# KiCad board panel.kicad_pcb (continued)
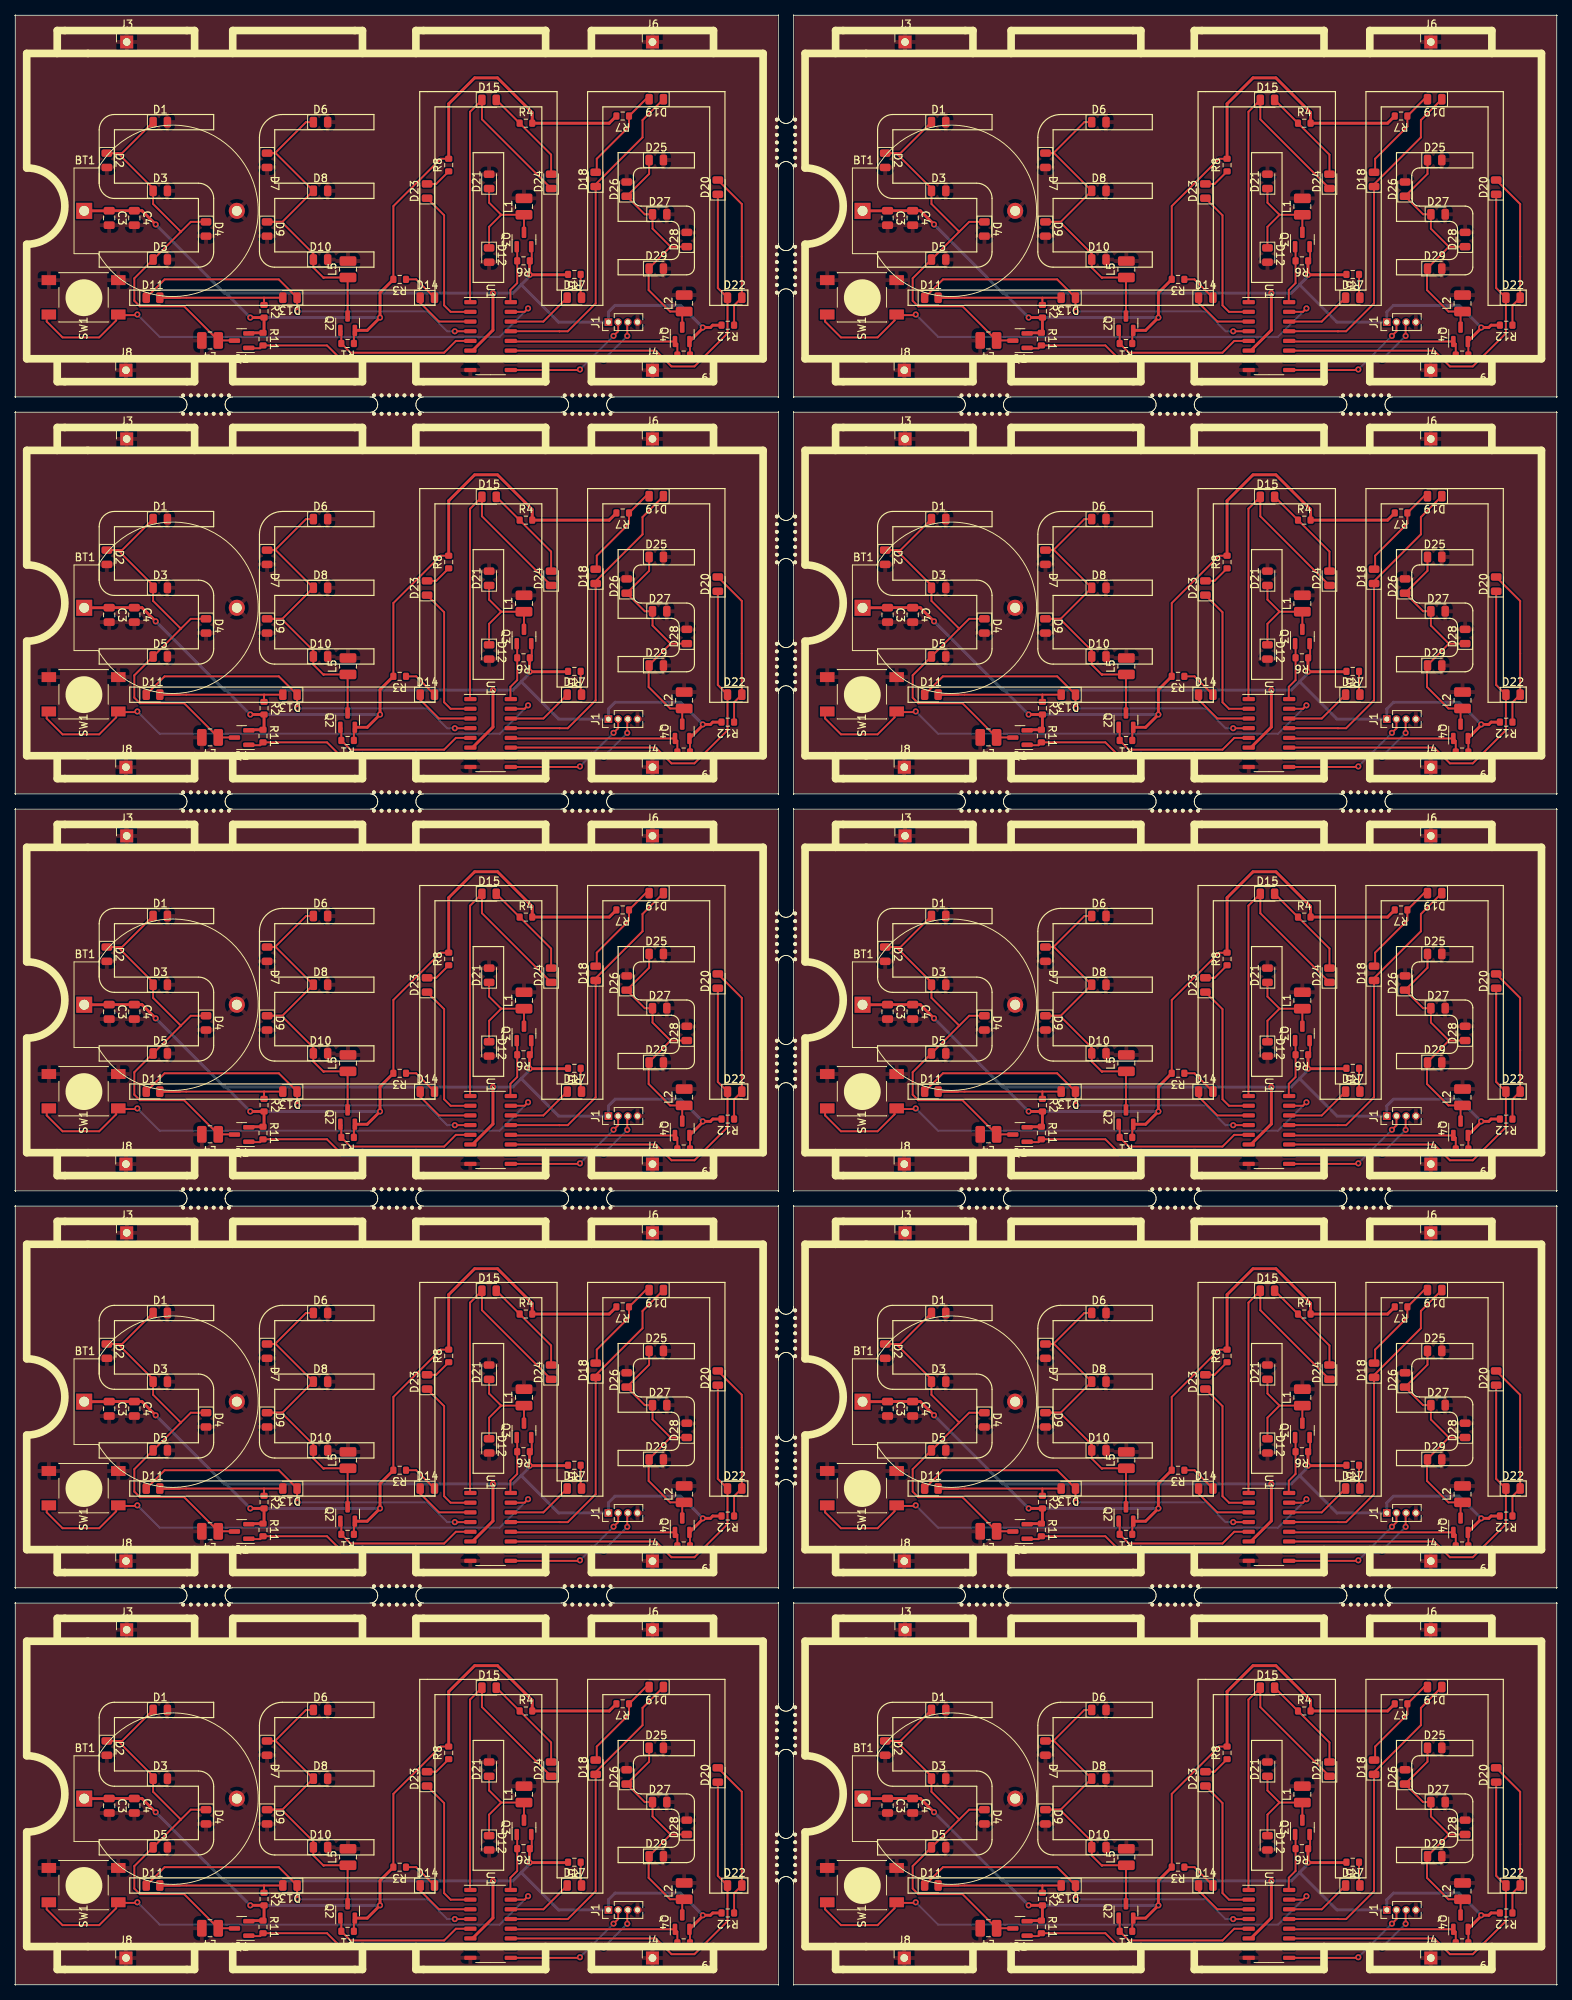
[diagram p0: board, top side]
## Placement (name value [footprint] x y rotation side) (continued)
J6#10  Conn_01x01_Male  [PinHeader_1x01_P2.54mm_Vertical]  185.5 46.5 0 top
J8  Conn_01x01_Male  [PinHeader_1x01_P2.54mm_Vertical]  14.5 211.5 0 top
J8#2  Conn_01x01_Male  [PinHeader_1x01_P2.54mm_Vertical]  116.5 211.5 0 top
J8#3  Conn_01x01_Male  [PinHeader_1x01_P2.54mm_Vertical]  14.5 159.5 0 top
J8#4  Conn_01x01_Male  [PinHeader_1x01_P2.54mm_Vertical]  116.5 159.5 0 top
J8#5  Conn_01x01_Male  [PinHeader_1x01_P2.54mm_Vertical]  14.5 107.5 0 top
J8#6  Conn_01x01_Male  [PinHeader_1x01_P2.54mm_Vertical]  116.5 107.5 0 top
J8#7  Conn_01x01_Male  [PinHeader_1x01_P2.54mm_Vertical]  14.5 55.5 0 top
J8#8  Conn_01x01_Male  [PinHeader_1x01_P2.54mm_Vertical]  116.5 55.5 0 top
J8#9  Conn_01x01_Male  [PinHeader_1x01_P2.54mm_Vertical]  14.5 3.5 0 top
J8#10  Conn_01x01_Male  [PinHeader_1x01_P2.54mm_Vertical]  116.5 3.5 0 top
KiKit_MB_1_1  -  [NPTH]  99.8 244.33 0 top
KiKit_MB_1_2  -  [NPTH]  99.8 243.33 0 top
KiKit_MB_1_3  -  [NPTH]  99.8 242.33 0 top
KiKit_MB_1_4  -  [NPTH]  99.8 241.33 0 top
KiKit_MB_1_5  -  [NPTH]  99.8 240.33 0 top
KiKit_MB_1_6  -  [NPTH]  99.8 239.33 0 top
KiKit_MB_1_7  -  [NPTH]  99.8 238.33 0 top
KiKit_MB_2_1  -  [NPTH]  99.8 227.67 0 top
KiKit_MB_2_2  -  [NPTH]  99.8 226.67 0 top
KiKit_MB_2_3  -  [NPTH]  99.8 225.67 0 top
KiKit_MB_2_4  -  [NPTH]  99.8 224.67 0 top
KiKit_MB_2_5  -  [NPTH]  99.8 223.67 0 top
KiKit_MB_2_6  -  [NPTH]  99.8 222.67 0 top
KiKit_MB_2_7  -  [NPTH]  99.8 221.67 0 top
KiKit_MB_3_1  -  [NPTH]  28 208.2 0 top
KiKit_MB_3_2  -  [NPTH]  27 208.2 0 top
KiKit_MB_3_3  -  [NPTH]  26 208.2 0 top
KiKit_MB_3_4  -  [NPTH]  25 208.2 0 top
KiKit_MB_3_5  -  [NPTH]  24 208.2 0 top
KiKit_MB_3_6  -  [NPTH]  23 208.2 0 top
KiKit_MB_3_7  -  [NPTH]  22 208.2 0 top
KiKit_MB_4_1  -  [NPTH]  53 208.2 0 top
KiKit_MB_4_2  -  [NPTH]  52 208.2 0 top
KiKit_MB_4_3  -  [NPTH]  51 208.2 0 top
KiKit_MB_4_4  -  [NPTH]  50 208.2 0 top
KiKit_MB_4_5  -  [NPTH]  49 208.2 0 top
KiKit_MB_4_6  -  [NPTH]  48 208.2 0 top
KiKit_MB_4_7  -  [NPTH]  47 208.2 0 top
KiKit_MB_5_1  -  [NPTH]  78 208.2 0 top
KiKit_MB_5_2  -  [NPTH]  77 208.2 0 top
KiKit_MB_5_3  -  [NPTH]  76 208.2 0 top
KiKit_MB_5_4  -  [NPTH]  75 208.2 0 top
KiKit_MB_5_5  -  [NPTH]  74 208.2 0 top
KiKit_MB_5_6  -  [NPTH]  73 208.2 0 top
KiKit_MB_5_7  -  [NPTH]  72 208.2 0 top
KiKit_MB_6_1  -  [NPTH]  102.2 238.33 0 top
KiKit_MB_6_2  -  [NPTH]  102.2 239.33 0 top
KiKit_MB_6_3  -  [NPTH]  102.2 240.33 0 top
KiKit_MB_6_4  -  [NPTH]  102.2 241.33 0 top
KiKit_MB_6_5  -  [NPTH]  102.2 242.33 0 top
KiKit_MB_6_6  -  [NPTH]  102.2 243.33 0 top
KiKit_MB_6_7  -  [NPTH]  102.2 244.33 0 top
KiKit_MB_7_1  -  [NPTH]  102.2 221.67 0 top
KiKit_MB_7_2  -  [NPTH]  102.2 222.67 0 top
KiKit_MB_7_3  -  [NPTH]  102.2 223.67 0 top
KiKit_MB_7_4  -  [NPTH]  102.2 224.67 0 top
KiKit_MB_7_5  -  [NPTH]  102.2 225.67 0 top
KiKit_MB_7_6  -  [NPTH]  102.2 226.67 0 top
KiKit_MB_7_7  -  [NPTH]  102.2 227.67 0 top
KiKit_MB_8_1  -  [NPTH]  130 208.2 0 top
KiKit_MB_8_2  -  [NPTH]  129 208.2 0 top
KiKit_MB_8_3  -  [NPTH]  128 208.2 0 top
KiKit_MB_8_4  -  [NPTH]  127 208.2 0 top
KiKit_MB_8_5  -  [NPTH]  126 208.2 0 top
KiKit_MB_8_6  -  [NPTH]  125 208.2 0 top
KiKit_MB_8_7  -  [NPTH]  124 208.2 0 top
KiKit_MB_9_1  -  [NPTH]  155 208.2 0 top
KiKit_MB_9_2  -  [NPTH]  154 208.2 0 top
KiKit_MB_9_3  -  [NPTH]  153 208.2 0 top
KiKit_MB_9_4  -  [NPTH]  152 208.2 0 top
KiKit_MB_9_5  -  [NPTH]  151 208.2 0 top
KiKit_MB_9_6  -  [NPTH]  150 208.2 0 top
KiKit_MB_9_7  -  [NPTH]  149 208.2 0 top
KiKit_MB_10_1  -  [NPTH]  180 208.2 0 top
KiKit_MB_10_2  -  [NPTH]  179 208.2 0 top
KiKit_MB_10_3  -  [NPTH]  178 208.2 0 top
KiKit_MB_10_4  -  [NPTH]  177 208.2 0 top
KiKit_MB_10_5  -  [NPTH]  176 208.2 0 top
KiKit_MB_10_6  -  [NPTH]  175 208.2 0 top
KiKit_MB_10_7  -  [NPTH]  174 208.2 0 top
KiKit_MB_11_1  -  [NPTH]  99.8 192.33 0 top
KiKit_MB_11_2  -  [NPTH]  99.8 191.33 0 top
KiKit_MB_11_3  -  [NPTH]  99.8 190.33 0 top
KiKit_MB_11_4  -  [NPTH]  99.8 189.33 0 top
KiKit_MB_11_5  -  [NPTH]  99.8 188.33 0 top
KiKit_MB_11_6  -  [NPTH]  99.8 187.33 0 top
KiKit_MB_11_7  -  [NPTH]  99.8 186.33 0 top
KiKit_MB_12_1  -  [NPTH]  99.8 175.67 0 top
KiKit_MB_12_2  -  [NPTH]  99.8 174.67 0 top
KiKit_MB_12_3  -  [NPTH]  99.8 173.67 0 top
KiKit_MB_12_4  -  [NPTH]  99.8 172.67 0 top
KiKit_MB_12_5  -  [NPTH]  99.8 171.67 0 top
KiKit_MB_12_6  -  [NPTH]  99.8 170.67 0 top
KiKit_MB_12_7  -  [NPTH]  99.8 169.67 0 top
KiKit_MB_13_1  -  [NPTH]  22 205.8 0 top
KiKit_MB_13_2  -  [NPTH]  23 205.8 0 top
KiKit_MB_13_3  -  [NPTH]  24 205.8 0 top
KiKit_MB_13_4  -  [NPTH]  25 205.8 0 top
KiKit_MB_13_5  -  [NPTH]  26 205.8 0 top
KiKit_MB_13_6  -  [NPTH]  27 205.8 0 top
KiKit_MB_13_7  -  [NPTH]  28 205.8 0 top
KiKit_MB_14_1  -  [NPTH]  47 205.8 0 top
KiKit_MB_14_2  -  [NPTH]  48 205.8 0 top
KiKit_MB_14_3  -  [NPTH]  49 205.8 0 top
KiKit_MB_14_4  -  [NPTH]  50 205.8 0 top
KiKit_MB_14_5  -  [NPTH]  51 205.8 0 top
KiKit_MB_14_6  -  [NPTH]  52 205.8 0 top
KiKit_MB_14_7  -  [NPTH]  53 205.8 0 top
KiKit_MB_15_1  -  [NPTH]  72 205.8 0 top
KiKit_MB_15_2  -  [NPTH]  73 205.8 0 top
KiKit_MB_15_3  -  [NPTH]  74 205.8 0 top
KiKit_MB_15_4  -  [NPTH]  75 205.8 0 top
KiKit_MB_15_5  -  [NPTH]  76 205.8 0 top
KiKit_MB_15_6  -  [NPTH]  77 205.8 0 top
KiKit_MB_15_7  -  [NPTH]  78 205.8 0 top
KiKit_MB_16_1  -  [NPTH]  28 156.2 0 top
KiKit_MB_16_2  -  [NPTH]  27 156.2 0 top
KiKit_MB_16_3  -  [NPTH]  26 156.2 0 top
KiKit_MB_16_4  -  [NPTH]  25 156.2 0 top
KiKit_MB_16_5  -  [NPTH]  24 156.2 0 top
KiKit_MB_16_6  -  [NPTH]  23 156.2 0 top
KiKit_MB_16_7  -  [NPTH]  22 156.2 0 top
KiKit_MB_17_1  -  [NPTH]  53 156.2 0 top
KiKit_MB_17_2  -  [NPTH]  52 156.2 0 top
KiKit_MB_17_3  -  [NPTH]  51 156.2 0 top
KiKit_MB_17_4  -  [NPTH]  50 156.2 0 top
KiKit_MB_17_5  -  [NPTH]  49 156.2 0 top
KiKit_MB_17_6  -  [NPTH]  48 156.2 0 top
KiKit_MB_17_7  -  [NPTH]  47 156.2 0 top
KiKit_MB_18_1  -  [NPTH]  78 156.2 0 top
KiKit_MB_18_2  -  [NPTH]  77 156.2 0 top
KiKit_MB_18_3  -  [NPTH]  76 156.2 0 top
KiKit_MB_18_4  -  [NPTH]  75 156.2 0 top
KiKit_MB_18_5  -  [NPTH]  74 156.2 0 top
KiKit_MB_18_6  -  [NPTH]  73 156.2 0 top
KiKit_MB_18_7  -  [NPTH]  72 156.2 0 top
KiKit_MB_19_1  -  [NPTH]  102.2 186.33 0 top
KiKit_MB_19_2  -  [NPTH]  102.2 187.33 0 top
KiKit_MB_19_3  -  [NPTH]  102.2 188.33 0 top
KiKit_MB_19_4  -  [NPTH]  102.2 189.33 0 top
KiKit_MB_19_5  -  [NPTH]  102.2 190.33 0 top
KiKit_MB_19_6  -  [NPTH]  102.2 191.33 0 top
KiKit_MB_19_7  -  [NPTH]  102.2 192.33 0 top
KiKit_MB_20_1  -  [NPTH]  102.2 169.67 0 top
KiKit_MB_20_2  -  [NPTH]  102.2 170.67 0 top
KiKit_MB_20_3  -  [NPTH]  102.2 171.67 0 top
KiKit_MB_20_4  -  [NPTH]  102.2 172.67 0 top
KiKit_MB_20_5  -  [NPTH]  102.2 173.67 0 top
KiKit_MB_20_6  -  [NPTH]  102.2 174.67 0 top
KiKit_MB_20_7  -  [NPTH]  102.2 175.67 0 top
KiKit_MB_21_1  -  [NPTH]  124 205.8 0 top
KiKit_MB_21_2  -  [NPTH]  125 205.8 0 top
KiKit_MB_21_3  -  [NPTH]  126 205.8 0 top
KiKit_MB_21_4  -  [NPTH]  127 205.8 0 top
KiKit_MB_21_5  -  [NPTH]  128 205.8 0 top
KiKit_MB_21_6  -  [NPTH]  129 205.8 0 top
KiKit_MB_21_7  -  [NPTH]  130 205.8 0 top
KiKit_MB_22_1  -  [NPTH]  149 205.8 0 top
KiKit_MB_22_2  -  [NPTH]  150 205.8 0 top
KiKit_MB_22_3  -  [NPTH]  151 205.8 0 top
KiKit_MB_22_4  -  [NPTH]  152 205.8 0 top
KiKit_MB_22_5  -  [NPTH]  153 205.8 0 top
KiKit_MB_22_6  -  [NPTH]  154 205.8 0 top
KiKit_MB_22_7  -  [NPTH]  155 205.8 0 top
KiKit_MB_23_1  -  [NPTH]  174 205.8 0 top
KiKit_MB_23_2  -  [NPTH]  175 205.8 0 top
KiKit_MB_23_3  -  [NPTH]  176 205.8 0 top
KiKit_MB_23_4  -  [NPTH]  177 205.8 0 top
KiKit_MB_23_5  -  [NPTH]  178 205.8 0 top
KiKit_MB_23_6  -  [NPTH]  179 205.8 0 top
KiKit_MB_23_7  -  [NPTH]  180 205.8 0 top
KiKit_MB_24_1  -  [NPTH]  130 156.2 0 top
KiKit_MB_24_2  -  [NPTH]  129 156.2 0 top
KiKit_MB_24_3  -  [NPTH]  128 156.2 0 top
KiKit_MB_24_4  -  [NPTH]  127 156.2 0 top
KiKit_MB_24_5  -  [NPTH]  126 156.2 0 top
KiKit_MB_24_6  -  [NPTH]  125 156.2 0 top
KiKit_MB_24_7  -  [NPTH]  124 156.2 0 top
KiKit_MB_25_1  -  [NPTH]  155 156.2 0 top
KiKit_MB_25_2  -  [NPTH]  154 156.2 0 top
KiKit_MB_25_3  -  [NPTH]  153 156.2 0 top
KiKit_MB_25_4  -  [NPTH]  152 156.2 0 top
KiKit_MB_25_5  -  [NPTH]  151 156.2 0 top
KiKit_MB_25_6  -  [NPTH]  150 156.2 0 top
KiKit_MB_25_7  -  [NPTH]  149 156.2 0 top
KiKit_MB_26_1  -  [NPTH]  180 156.2 0 top
KiKit_MB_26_2  -  [NPTH]  179 156.2 0 top
KiKit_MB_26_3  -  [NPTH]  178 156.2 0 top
KiKit_MB_26_4  -  [NPTH]  177 156.2 0 top
KiKit_MB_26_5  -  [NPTH]  176 156.2 0 top
KiKit_MB_26_6  -  [NPTH]  175 156.2 0 top
KiKit_MB_26_7  -  [NPTH]  174 156.2 0 top
KiKit_MB_27_1  -  [NPTH]  99.8 140.33 0 top
KiKit_MB_27_2  -  [NPTH]  99.8 139.33 0 top
KiKit_MB_27_3  -  [NPTH]  99.8 138.33 0 top
KiKit_MB_27_4  -  [NPTH]  99.8 137.33 0 top
KiKit_MB_27_5  -  [NPTH]  99.8 136.33 0 top
KiKit_MB_27_6  -  [NPTH]  99.8 135.33 0 top
KiKit_MB_27_7  -  [NPTH]  99.8 134.33 0 top
KiKit_MB_28_1  -  [NPTH]  99.8 123.67 0 top
KiKit_MB_28_2  -  [NPTH]  99.8 122.67 0 top
KiKit_MB_28_3  -  [NPTH]  99.8 121.67 0 top
KiKit_MB_28_4  -  [NPTH]  99.8 120.67 0 top
KiKit_MB_28_5  -  [NPTH]  99.8 119.67 0 top
KiKit_MB_28_6  -  [NPTH]  99.8 118.67 0 top
KiKit_MB_28_7  -  [NPTH]  99.8 117.67 0 top
KiKit_MB_29_1  -  [NPTH]  22 153.8 0 top
KiKit_MB_29_2  -  [NPTH]  23 153.8 0 top
KiKit_MB_29_3  -  [NPTH]  24 153.8 0 top
KiKit_MB_29_4  -  [NPTH]  25 153.8 0 top
KiKit_MB_29_5  -  [NPTH]  26 153.8 0 top
KiKit_MB_29_6  -  [NPTH]  27 153.8 0 top
KiKit_MB_29_7  -  [NPTH]  28 153.8 0 top
KiKit_MB_30_1  -  [NPTH]  47 153.8 0 top
KiKit_MB_30_2  -  [NPTH]  48 153.8 0 top
KiKit_MB_30_3  -  [NPTH]  49 153.8 0 top
KiKit_MB_30_4  -  [NPTH]  50 153.8 0 top
KiKit_MB_30_5  -  [NPTH]  51 153.8 0 top
KiKit_MB_30_6  -  [NPTH]  52 153.8 0 top
KiKit_MB_30_7  -  [NPTH]  53 153.8 0 top
KiKit_MB_31_1  -  [NPTH]  72 153.8 0 top
KiKit_MB_31_2  -  [NPTH]  73 153.8 0 top
KiKit_MB_31_3  -  [NPTH]  74 153.8 0 top
KiKit_MB_31_4  -  [NPTH]  75 153.8 0 top
KiKit_MB_31_5  -  [NPTH]  76 153.8 0 top
KiKit_MB_31_6  -  [NPTH]  77 153.8 0 top
KiKit_MB_31_7  -  [NPTH]  78 153.8 0 top
KiKit_MB_32_1  -  [NPTH]  28 104.2 0 top
KiKit_MB_32_2  -  [NPTH]  27 104.2 0 top
KiKit_MB_32_3  -  [NPTH]  26 104.2 0 top
KiKit_MB_32_4  -  [NPTH]  25 104.2 0 top
KiKit_MB_32_5  -  [NPTH]  24 104.2 0 top
KiKit_MB_32_6  -  [NPTH]  23 104.2 0 top
KiKit_MB_32_7  -  [NPTH]  22 104.2 0 top
KiKit_MB_33_1  -  [NPTH]  53 104.2 0 top
KiKit_MB_33_2  -  [NPTH]  52 104.2 0 top
KiKit_MB_33_3  -  [NPTH]  51 104.2 0 top
KiKit_MB_33_4  -  [NPTH]  50 104.2 0 top
KiKit_MB_33_5  -  [NPTH]  49 104.2 0 top
KiKit_MB_33_6  -  [NPTH]  48 104.2 0 top
KiKit_MB_33_7  -  [NPTH]  47 104.2 0 top
KiKit_MB_34_1  -  [NPTH]  78 104.2 0 top
KiKit_MB_34_2  -  [NPTH]  77 104.2 0 top
KiKit_MB_34_3  -  [NPTH]  76 104.2 0 top
KiKit_MB_34_4  -  [NPTH]  75 104.2 0 top
KiKit_MB_34_5  -  [NPTH]  74 104.2 0 top
KiKit_MB_34_6  -  [NPTH]  73 104.2 0 top
KiKit_MB_34_7  -  [NPTH]  72 104.2 0 top
KiKit_MB_35_1  -  [NPTH]  102.2 134.33 0 top
KiKit_MB_35_2  -  [NPTH]  102.2 135.33 0 top
KiKit_MB_35_3  -  [NPTH]  102.2 136.33 0 top
KiKit_MB_35_4  -  [NPTH]  102.2 137.33 0 top
KiKit_MB_35_5  -  [NPTH]  102.2 138.33 0 top
KiKit_MB_35_6  -  [NPTH]  102.2 139.33 0 top
KiKit_MB_35_7  -  [NPTH]  102.2 140.33 0 top
KiKit_MB_36_1  -  [NPTH]  102.2 117.67 0 top
KiKit_MB_36_2  -  [NPTH]  102.2 118.67 0 top
KiKit_MB_36_3  -  [NPTH]  102.2 119.67 0 top
KiKit_MB_36_4  -  [NPTH]  102.2 120.67 0 top
KiKit_MB_36_5  -  [NPTH]  102.2 121.67 0 top
KiKit_MB_36_6  -  [NPTH]  102.2 122.67 0 top
KiKit_MB_36_7  -  [NPTH]  102.2 123.67 0 top
KiKit_MB_37_1  -  [NPTH]  124 153.8 0 top
KiKit_MB_37_2  -  [NPTH]  125 153.8 0 top
KiKit_MB_37_3  -  [NPTH]  126 153.8 0 top
KiKit_MB_37_4  -  [NPTH]  127 153.8 0 top
KiKit_MB_37_5  -  [NPTH]  128 153.8 0 top
KiKit_MB_37_6  -  [NPTH]  129 153.8 0 top
KiKit_MB_37_7  -  [NPTH]  130 153.8 0 top
KiKit_MB_38_1  -  [NPTH]  149 153.8 0 top
KiKit_MB_38_2  -  [NPTH]  150 153.8 0 top
KiKit_MB_38_3  -  [NPTH]  151 153.8 0 top
KiKit_MB_38_4  -  [NPTH]  152 153.8 0 top
KiKit_MB_38_5  -  [NPTH]  153 153.8 0 top
KiKit_MB_38_6  -  [NPTH]  154 153.8 0 top
KiKit_MB_38_7  -  [NPTH]  155 153.8 0 top
KiKit_MB_39_1  -  [NPTH]  174 153.8 0 top
KiKit_MB_39_2  -  [NPTH]  175 153.8 0 top
KiKit_MB_39_3  -  [NPTH]  176 153.8 0 top
KiKit_MB_39_4  -  [NPTH]  177 153.8 0 top
KiKit_MB_39_5  -  [NPTH]  178 153.8 0 top
KiKit_MB_39_6  -  [NPTH]  179 153.8 0 top
KiKit_MB_39_7  -  [NPTH]  180 153.8 0 top
KiKit_MB_40_1  -  [NPTH]  130 104.2 0 top
KiKit_MB_40_2  -  [NPTH]  129 104.2 0 top
KiKit_MB_40_3  -  [NPTH]  128 104.2 0 top
KiKit_MB_40_4  -  [NPTH]  127 104.2 0 top
KiKit_MB_40_5  -  [NPTH]  126 104.2 0 top
KiKit_MB_40_6  -  [NPTH]  125 104.2 0 top
KiKit_MB_40_7  -  [NPTH]  124 104.2 0 top
KiKit_MB_41_1  -  [NPTH]  155 104.2 0 top
KiKit_MB_41_2  -  [NPTH]  154 104.2 0 top
KiKit_MB_41_3  -  [NPTH]  153 104.2 0 top
KiKit_MB_41_4  -  [NPTH]  152 104.2 0 top
KiKit_MB_41_5  -  [NPTH]  151 104.2 0 top
KiKit_MB_41_6  -  [NPTH]  150 104.2 0 top
KiKit_MB_41_7  -  [NPTH]  149 104.2 0 top
KiKit_MB_42_1  -  [NPTH]  180 104.2 0 top
KiKit_MB_42_2  -  [NPTH]  179 104.2 0 top
KiKit_MB_42_3  -  [NPTH]  178 104.2 0 top
KiKit_MB_42_4  -  [NPTH]  177 104.2 0 top
KiKit_MB_42_5  -  [NPTH]  176 104.2 0 top
KiKit_MB_42_6  -  [NPTH]  175 104.2 0 top
KiKit_MB_42_7  -  [NPTH]  174 104.2 0 top
KiKit_MB_43_1  -  [NPTH]  99.8 88.33 0 top
KiKit_MB_43_2  -  [NPTH]  99.8 87.33 0 top
KiKit_MB_43_3  -  [NPTH]  99.8 86.33 0 top
KiKit_MB_43_4  -  [NPTH]  99.8 85.33 0 top
KiKit_MB_43_5  -  [NPTH]  99.8 84.33 0 top
KiKit_MB_43_6  -  [NPTH]  99.8 83.33 0 top
KiKit_MB_43_7  -  [NPTH]  99.8 82.33 0 top
KiKit_MB_44_1  -  [NPTH]  99.8 71.67 0 top
KiKit_MB_44_2  -  [NPTH]  99.8 70.67 0 top
KiKit_MB_44_3  -  [NPTH]  99.8 69.67 0 top
KiKit_MB_44_4  -  [NPTH]  99.8 68.67 0 top
KiKit_MB_44_5  -  [NPTH]  99.8 67.67 0 top
KiKit_MB_44_6  -  [NPTH]  99.8 66.67 0 top
KiKit_MB_44_7  -  [NPTH]  99.8 65.67 0 top
KiKit_MB_45_1  -  [NPTH]  22 101.8 0 top
KiKit_MB_45_2  -  [NPTH]  23 101.8 0 top
KiKit_MB_45_3  -  [NPTH]  24 101.8 0 top
KiKit_MB_45_4  -  [NPTH]  25 101.8 0 top
KiKit_MB_45_5  -  [NPTH]  26 101.8 0 top
KiKit_MB_45_6  -  [NPTH]  27 101.8 0 top
KiKit_MB_45_7  -  [NPTH]  28 101.8 0 top
KiKit_MB_46_1  -  [NPTH]  47 101.8 0 top
KiKit_MB_46_2  -  [NPTH]  48 101.8 0 top
KiKit_MB_46_3  -  [NPTH]  49 101.8 0 top
KiKit_MB_46_4  -  [NPTH]  50 101.8 0 top
KiKit_MB_46_5  -  [NPTH]  51 101.8 0 top
KiKit_MB_46_6  -  [NPTH]  52 101.8 0 top
KiKit_MB_46_7  -  [NPTH]  53 101.8 0 top
KiKit_MB_47_1  -  [NPTH]  72 101.8 0 top
KiKit_MB_47_2  -  [NPTH]  73 101.8 0 top
KiKit_MB_47_3  -  [NPTH]  74 101.8 0 top
KiKit_MB_47_4  -  [NPTH]  75 101.8 0 top
KiKit_MB_47_5  -  [NPTH]  76 101.8 0 top
KiKit_MB_47_6  -  [NPTH]  77 101.8 0 top
KiKit_MB_47_7  -  [NPTH]  78 101.8 0 top
KiKit_MB_48_1  -  [NPTH]  28 52.2 0 top
KiKit_MB_48_2  -  [NPTH]  27 52.2 0 top
KiKit_MB_48_3  -  [NPTH]  26 52.2 0 top
KiKit_MB_48_4  -  [NPTH]  25 52.2 0 top
KiKit_MB_48_5  -  [NPTH]  24 52.2 0 top
KiKit_MB_48_6  -  [NPTH]  23 52.2 0 top
KiKit_MB_48_7  -  [NPTH]  22 52.2 0 top
KiKit_MB_49_1  -  [NPTH]  53 52.2 0 top
KiKit_MB_49_2  -  [NPTH]  52 52.2 0 top
KiKit_MB_49_3  -  [NPTH]  51 52.2 0 top
KiKit_MB_49_4  -  [NPTH]  50 52.2 0 top
KiKit_MB_49_5  -  [NPTH]  49 52.2 0 top
KiKit_MB_49_6  -  [NPTH]  48 52.2 0 top
KiKit_MB_49_7  -  [NPTH]  47 52.2 0 top
KiKit_MB_50_1  -  [NPTH]  78 52.2 0 top
KiKit_MB_50_2  -  [NPTH]  77 52.2 0 top
KiKit_MB_50_3  -  [NPTH]  76 52.2 0 top
KiKit_MB_50_4  -  [NPTH]  75 52.2 0 top
KiKit_MB_50_5  -  [NPTH]  74 52.2 0 top
KiKit_MB_50_6  -  [NPTH]  73 52.2 0 top
KiKit_MB_50_7  -  [NPTH]  72 52.2 0 top
KiKit_MB_51_1  -  [NPTH]  102.2 82.33 0 top
KiKit_MB_51_2  -  [NPTH]  102.2 83.33 0 top
KiKit_MB_51_3  -  [NPTH]  102.2 84.33 0 top
KiKit_MB_51_4  -  [NPTH]  102.2 85.33 0 top
KiKit_MB_51_5  -  [NPTH]  102.2 86.33 0 top
KiKit_MB_51_6  -  [NPTH]  102.2 87.33 0 top
KiKit_MB_51_7  -  [NPTH]  102.2 88.33 0 top
KiKit_MB_52_1  -  [NPTH]  102.2 65.67 0 top
KiKit_MB_52_2  -  [NPTH]  102.2 66.67 0 top
KiKit_MB_52_3  -  [NPTH]  102.2 67.67 0 top
KiKit_MB_52_4  -  [NPTH]  102.2 68.67 0 top
KiKit_MB_52_5  -  [NPTH]  102.2 69.67 0 top
KiKit_MB_52_6  -  [NPTH]  102.2 70.67 0 top
KiKit_MB_52_7  -  [NPTH]  102.2 71.67 0 top
KiKit_MB_53_1  -  [NPTH]  124 101.8 0 top
KiKit_MB_53_2  -  [NPTH]  125 101.8 0 top
KiKit_MB_53_3  -  [NPTH]  126 101.8 0 top
KiKit_MB_53_4  -  [NPTH]  127 101.8 0 top
KiKit_MB_53_5  -  [NPTH]  128 101.8 0 top
KiKit_MB_53_6  -  [NPTH]  129 101.8 0 top
KiKit_MB_53_7  -  [NPTH]  130 101.8 0 top
KiKit_MB_54_1  -  [NPTH]  149 101.8 0 top
KiKit_MB_54_2  -  [NPTH]  150 101.8 0 top
KiKit_MB_54_3  -  [NPTH]  151 101.8 0 top
KiKit_MB_54_4  -  [NPTH]  152 101.8 0 top
KiKit_MB_54_5  -  [NPTH]  153 101.8 0 top
KiKit_MB_54_6  -  [NPTH]  154 101.8 0 top
KiKit_MB_54_7  -  [NPTH]  155 101.8 0 top
KiKit_MB_55_1  -  [NPTH]  174 101.8 0 top
KiKit_MB_55_2  -  [NPTH]  175 101.8 0 top
KiKit_MB_55_3  -  [NPTH]  176 101.8 0 top
KiKit_MB_55_4  -  [NPTH]  177 101.8 0 top
KiKit_MB_55_5  -  [NPTH]  178 101.8 0 top
KiKit_MB_55_6  -  [NPTH]  179 101.8 0 top
KiKit_MB_55_7  -  [NPTH]  180 101.8 0 top
KiKit_MB_56_1  -  [NPTH]  130 52.2 0 top
KiKit_MB_56_2  -  [NPTH]  129 52.2 0 top
KiKit_MB_56_3  -  [NPTH]  128 52.2 0 top
KiKit_MB_56_4  -  [NPTH]  127 52.2 0 top
KiKit_MB_56_5  -  [NPTH]  126 52.2 0 top
KiKit_MB_56_6  -  [NPTH]  125 52.2 0 top
KiKit_MB_56_7  -  [NPTH]  124 52.2 0 top
KiKit_MB_57_1  -  [NPTH]  155 52.2 0 top
KiKit_MB_57_2  -  [NPTH]  154 52.2 0 top
KiKit_MB_57_3  -  [NPTH]  153 52.2 0 top
KiKit_MB_57_4  -  [NPTH]  152 52.2 0 top
KiKit_MB_57_5  -  [NPTH]  151 52.2 0 top
KiKit_MB_57_6  -  [NPTH]  150 52.2 0 top
KiKit_MB_57_7  -  [NPTH]  149 52.2 0 top
KiKit_MB_58_1  -  [NPTH]  180 52.2 0 top
KiKit_MB_58_2  -  [NPTH]  179 52.2 0 top
KiKit_MB_58_3  -  [NPTH]  178 52.2 0 top
KiKit_MB_58_4  -  [NPTH]  177 52.2 0 top
KiKit_MB_58_5  -  [NPTH]  176 52.2 0 top
KiKit_MB_58_6  -  [NPTH]  175 52.2 0 top
KiKit_MB_58_7  -  [NPTH]  174 52.2 0 top
KiKit_MB_59_1  -  [NPTH]  99.8 36.33 0 top
KiKit_MB_59_2  -  [NPTH]  99.8 35.33 0 top
KiKit_MB_59_3  -  [NPTH]  99.8 34.33 0 top
KiKit_MB_59_4  -  [NPTH]  99.8 33.33 0 top
KiKit_MB_59_5  -  [NPTH]  99.8 32.33 0 top
KiKit_MB_59_6  -  [NPTH]  99.8 31.33 0 top
KiKit_MB_59_7  -  [NPTH]  99.8 30.33 0 top
KiKit_MB_60_1  -  [NPTH]  99.8 19.67 0 top
KiKit_MB_60_2  -  [NPTH]  99.8 18.67 0 top
KiKit_MB_60_3  -  [NPTH]  99.8 17.67 0 top
KiKit_MB_60_4  -  [NPTH]  99.8 16.67 0 top
KiKit_MB_60_5  -  [NPTH]  99.8 15.67 0 top
KiKit_MB_60_6  -  [NPTH]  99.8 14.67 0 top
KiKit_MB_60_7  -  [NPTH]  99.8 13.67 0 top
KiKit_MB_61_1  -  [NPTH]  22 49.8 0 top
KiKit_MB_61_2  -  [NPTH]  23 49.8 0 top
KiKit_MB_61_3  -  [NPTH]  24 49.8 0 top
KiKit_MB_61_4  -  [NPTH]  25 49.8 0 top
KiKit_MB_61_5  -  [NPTH]  26 49.8 0 top
KiKit_MB_61_6  -  [NPTH]  27 49.8 0 top
KiKit_MB_61_7  -  [NPTH]  28 49.8 0 top
KiKit_MB_62_1  -  [NPTH]  47 49.8 0 top
KiKit_MB_62_2  -  [NPTH]  48 49.8 0 top
KiKit_MB_62_3  -  [NPTH]  49 49.8 0 top
KiKit_MB_62_4  -  [NPTH]  50 49.8 0 top
KiKit_MB_62_5  -  [NPTH]  51 49.8 0 top
KiKit_MB_62_6  -  [NPTH]  52 49.8 0 top
KiKit_MB_62_7  -  [NPTH]  53 49.8 0 top
KiKit_MB_63_1  -  [NPTH]  72 49.8 0 top
KiKit_MB_63_2  -  [NPTH]  73 49.8 0 top
KiKit_MB_63_3  -  [NPTH]  74 49.8 0 top
KiKit_MB_63_4  -  [NPTH]  75 49.8 0 top
KiKit_MB_63_5  -  [NPTH]  76 49.8 0 top
KiKit_MB_63_6  -  [NPTH]  77 49.8 0 top
KiKit_MB_63_7  -  [NPTH]  78 49.8 0 top
KiKit_MB_64_1  -  [NPTH]  102.2 30.33 0 top
KiKit_MB_64_2  -  [NPTH]  102.2 31.33 0 top
KiKit_MB_64_3  -  [NPTH]  102.2 32.33 0 top
KiKit_MB_64_4  -  [NPTH]  102.2 33.33 0 top
KiKit_MB_64_5  -  [NPTH]  102.2 34.33 0 top
KiKit_MB_64_6  -  [NPTH]  102.2 35.33 0 top
KiKit_MB_64_7  -  [NPTH]  102.2 36.33 0 top
KiKit_MB_65_1  -  [NPTH]  102.2 13.67 0 top
KiKit_MB_65_2  -  [NPTH]  102.2 14.67 0 top
KiKit_MB_65_3  -  [NPTH]  102.2 15.67 0 top
KiKit_MB_65_4  -  [NPTH]  102.2 16.67 0 top
KiKit_MB_65_5  -  [NPTH]  102.2 17.67 0 top
KiKit_MB_65_6  -  [NPTH]  102.2 18.67 0 top
KiKit_MB_65_7  -  [NPTH]  102.2 19.67 0 top
KiKit_MB_66_1  -  [NPTH]  124 49.8 0 top
KiKit_MB_66_2  -  [NPTH]  125 49.8 0 top
KiKit_MB_66_3  -  [NPTH]  126 49.8 0 top
KiKit_MB_66_4  -  [NPTH]  127 49.8 0 top
KiKit_MB_66_5  -  [NPTH]  128 49.8 0 top
KiKit_MB_66_6  -  [NPTH]  129 49.8 0 top
KiKit_MB_66_7  -  [NPTH]  130 49.8 0 top
KiKit_MB_67_1  -  [NPTH]  149 49.8 0 top
KiKit_MB_67_2  -  [NPTH]  150 49.8 0 top
KiKit_MB_67_3  -  [NPTH]  151 49.8 0 top
KiKit_MB_67_4  -  [NPTH]  152 49.8 0 top
KiKit_MB_67_5  -  [NPTH]  153 49.8 0 top
KiKit_MB_67_6  -  [NPTH]  154 49.8 0 top
KiKit_MB_67_7  -  [NPTH]  155 49.8 0 top
KiKit_MB_68_1  -  [NPTH]  174 49.8 0 top
KiKit_MB_68_2  -  [NPTH]  175 49.8 0 top
KiKit_MB_68_3  -  [NPTH]  176 49.8 0 top
KiKit_MB_68_4  -  [NPTH]  177 49.8 0 top
KiKit_MB_68_5  -  [NPTH]  178 49.8 0 top
KiKit_MB_68_6  -  [NPTH]  179 49.8 0 top
KiKit_MB_68_7  -  [NPTH]  180 49.8 0 top
L1  L  [L_1008_2520Metric]  66.66 232.94 90 top
L1#2  L  [L_1008_2520Metric]  168.66 232.94 90 top
L1#3  L  [L_1008_2520Metric]  66.66 180.94 90 top
L1#4  L  [L_1008_2520Metric]  168.66 180.94 90 top
L1#5  L  [L_1008_2520Metric]  66.66 128.94 90 top
L1#6  L  [L_1008_2520Metric]  168.66 128.94 90 top
L1#7  L  [L_1008_2520Metric]  66.66 76.94 90 top
L1#8  L  [L_1008_2520Metric]  168.66 76.94 90 top
L1#9  L  [L_1008_2520Metric]  66.66 24.94 90 top
L1#10  L  [L_1008_2520Metric]  168.66 24.94 90 top
L2  L  [L_1008_2520Metric]  87.65 220.26 90 top
L2#2  L  [L_1008_2520Metric]  189.65 220.26 90 top
L2#3  L  [L_1008_2520Metric]  87.65 168.26 90 top
L2#4  L  [L_1008_2520Metric]  189.65 168.26 90 top
L2#5  L  [L_1008_2520Metric]  87.65 116.26 90 top
L2#6  L  [L_1008_2520Metric]  189.65 116.26 90 top
L2#7  L  [L_1008_2520Metric]  87.65 64.26 90 top
L2#8  L  [L_1008_2520Metric]  189.65 64.26 90 top
L2#9  L  [L_1008_2520Metric]  87.65 12.26 90 top
L2#10  L  [L_1008_2520Metric]  189.65 12.26 90 top
L4  L  [L_1008_2520Metric]  25.53 215.4 180 top
L4#2  L  [L_1008_2520Metric]  127.53 215.4 180 top
L4#3  L  [L_1008_2520Metric]  25.53 163.4 180 top
L4#4  L  [L_1008_2520Metric]  127.53 163.4 180 top
L4#5  L  [L_1008_2520Metric]  25.53 111.4 180 top
L4#6  L  [L_1008_2520Metric]  127.53 111.4 180 top
L4#7  L  [L_1008_2520Metric]  25.53 59.4 180 top
L4#8  L  [L_1008_2520Metric]  127.53 59.4 180 top
L4#9  L  [L_1008_2520Metric]  25.53 7.4 180 top
L4#10  L  [L_1008_2520Metric]  127.53 7.4 180 top
L5  L  [L_1008_2520Metric]  43.6 224.72 90 top
L5#2  L  [L_1008_2520Metric]  145.6 224.72 90 top
L5#3  L  [L_1008_2520Metric]  43.6 172.72 90 top
L5#4  L  [L_1008_2520Metric]  145.6 172.72 90 top
L5#5  L  [L_1008_2520Metric]  43.6 120.72 90 top
L5#6  L  [L_1008_2520Metric]  145.6 120.72 90 top
L5#7  L  [L_1008_2520Metric]  43.6 68.72 90 top
L5#8  L  [L_1008_2520Metric]  145.6 68.72 90 top
L5#9  L  [L_1008_2520Metric]  43.6 16.73 90 top
L5#10  L  [L_1008_2520Metric]  145.6 16.73 90 top
Q1  AO3401A  [SOT-23]  29.66 215.38 0 top
Q1#2  AO3401A  [SOT-23]  131.66 215.38 0 top
Q1#3  AO3401A  [SOT-23]  29.66 163.38 0 top
Q1#4  AO3401A  [SOT-23]  131.66 163.38 0 top
Q1#5  AO3401A  [SOT-23]  29.66 111.38 0 top
Q1#6  AO3401A  [SOT-23]  131.66 111.38 0 top
Q1#7  AO3401A  [SOT-23]  29.66 59.38 0 top
Q1#8  AO3401A  [SOT-23]  131.66 59.38 0 top
Q1#9  AO3401A  [SOT-23]  29.66 7.38 0 top
Q1#10  AO3401A  [SOT-23]  131.66 7.38 0 top
Q2  AO3401A  [SOT-23]  43.55 217.66 270 top
Q2#2  AO3401A  [SOT-23]  145.55 217.66 270 top
Q2#3  AO3401A  [SOT-23]  43.55 165.66 270 top
Q2#4  AO3401A  [SOT-23]  145.55 165.66 270 top
Q2#5  AO3401A  [SOT-23]  43.55 113.66 270 top
Q2#6  AO3401A  [SOT-23]  145.55 113.66 270 top
Q2#7  AO3401A  [SOT-23]  43.55 61.66 270 top
Q2#8  AO3401A  [SOT-23]  145.55 61.66 270 top
Q2#9  AO3401A  [SOT-23]  43.55 9.66 270 top
Q2#10  AO3401A  [SOT-23]  145.55 9.66 270 top
Q3  AO3401A  [SOT-23]  66.66 228.62 270 top
Q3#2  AO3401A  [SOT-23]  168.66 228.62 270 top
Q3#3  AO3401A  [SOT-23]  66.66 176.62 270 top
Q3#4  AO3401A  [SOT-23]  168.66 176.62 270 top
Q3#5  AO3401A  [SOT-23]  66.66 124.62 270 top
Q3#6  AO3401A  [SOT-23]  168.66 124.62 270 top
Q3#7  AO3401A  [SOT-23]  66.66 72.62 270 top
Q3#8  AO3401A  [SOT-23]  168.66 72.62 270 top
Q3#9  AO3401A  [SOT-23]  66.66 20.62 270 top
Q3#10  AO3401A  [SOT-23]  168.66 20.62 270 top
Q4  AO3401A  [SOT-23]  87.4 216.2 270 top
Q4#2  AO3401A  [SOT-23]  189.4 216.2 270 top
Q4#3  AO3401A  [SOT-23]  87.4 164.2 270 top
Q4#4  AO3401A  [SOT-23]  189.4 164.2 270 top
Q4#5  AO3401A  [SOT-23]  87.4 112.2 270 top
Q4#6  AO3401A  [SOT-23]  189.4 112.2 270 top
Q4#7  AO3401A  [SOT-23]  87.4 60.2 270 top
Q4#8  AO3401A  [SOT-23]  189.4 60.2 270 top
Q4#9  AO3401A  [SOT-23]  87.4 8.2 270 top
Q4#10  AO3401A  [SOT-23]  189.4 8.2 270 top
R1  100k  [R_0603_1608Metric]  43.55 215 180 top
R1#2  100k  [R_0603_1608Metric]  145.55 215 180 top
R1#3  100k  [R_0603_1608Metric]  43.55 163 180 top
R1#4  100k  [R_0603_1608Metric]  145.55 163 180 top
R1#5  100k  [R_0603_1608Metric]  43.55 111 180 top
R1#6  100k  [R_0603_1608Metric]  145.55 111 180 top
R1#7  100k  [R_0603_1608Metric]  43.55 59 180 top
R1#8  100k  [R_0603_1608Metric]  145.55 59 180 top
R1#9  100k  [R_0603_1608Metric]  43.55 7 180 top
R1#10  100k  [R_0603_1608Metric]  145.55 7 180 top
R2  510  [R_0603_1608Metric]  32.6 219.22 270 top
R2#2  510  [R_0603_1608Metric]  134.6 219.22 270 top
R2#3  510  [R_0603_1608Metric]  32.6 167.22 270 top
R2#4  510  [R_0603_1608Metric]  134.6 167.22 270 top
R2#5  510  [R_0603_1608Metric]  32.6 115.22 270 top
R2#6  510  [R_0603_1608Metric]  134.6 115.22 270 top
R2#7  510  [R_0603_1608Metric]  32.6 63.22 270 top
R2#8  510  [R_0603_1608Metric]  134.6 63.22 270 top
R2#9  510  [R_0603_1608Metric]  32.6 11.23 270 top
R2#10  510  [R_0603_1608Metric]  134.6 11.23 270 top
R3  1k  [R_0603_1608Metric]  50.38 223.4 180 top
R3#2  1k  [R_0603_1608Metric]  152.38 223.4 180 top
R3#3  1k  [R_0603_1608Metric]  50.38 171.4 180 top
R3#4  1k  [R_0603_1608Metric]  152.38 171.4 180 top
R3#5  1k  [R_0603_1608Metric]  50.38 119.4 180 top
R3#6  1k  [R_0603_1608Metric]  152.38 119.4 180 top
R3#7  1k  [R_0603_1608Metric]  50.38 67.4 180 top
R3#8  1k  [R_0603_1608Metric]  152.38 67.4 180 top
R3#9  1k  [R_0603_1608Metric]  50.38 15.4 180 top
R3#10  1k  [R_0603_1608Metric]  152.38 15.4 180 top
R4  510  [R_0603_1608Metric]  66.92 243.86 0 top
R4#2  510  [R_0603_1608Metric]  168.92 243.86 0 top
R4#3  510  [R_0603_1608Metric]  66.92 191.86 0 top
R4#4  510  [R_0603_1608Metric]  168.92 191.86 0 top
R4#5  510  [R_0603_1608Metric]  66.92 139.86 0 top
R4#6  510  [R_0603_1608Metric]  168.92 139.86 0 top
R4#7  510  [R_0603_1608Metric]  66.92 87.86 0 top
R4#8  510  [R_0603_1608Metric]  168.92 87.86 0 top
R4#9  510  [R_0603_1608Metric]  66.92 35.86 0 top
R4#10  510  [R_0603_1608Metric]  168.92 35.86 0 top
R5  R  [R_0603_1608Metric]  73.27 224.05 180 top
R5#2  R  [R_0603_1608Metric]  175.27 224.05 180 top
R5#3  R  [R_0603_1608Metric]  73.27 172.05 180 top
R5#4  R  [R_0603_1608Metric]  175.27 172.05 180 top
R5#5  R  [R_0603_1608Metric]  73.27 120.05 180 top
R5#6  R  [R_0603_1608Metric]  175.27 120.05 180 top
R5#7  R  [R_0603_1608Metric]  73.27 68.05 180 top
R5#8  R  [R_0603_1608Metric]  175.27 68.05 180 top
R5#9  R  [R_0603_1608Metric]  73.27 16.05 180 top
R5#10  R  [R_0603_1608Metric]  175.27 16.05 180 top
R6  100k  [R_0603_1608Metric]  66.6 225.83 180 top
R6#2  100k  [R_0603_1608Metric]  168.6 225.83 180 top
R6#3  100k  [R_0603_1608Metric]  66.6 173.83 180 top
R6#4  100k  [R_0603_1608Metric]  168.6 173.83 180 top
R6#5  100k  [R_0603_1608Metric]  66.6 121.83 180 top
R6#6  100k  [R_0603_1608Metric]  168.6 121.83 180 top
R6#7  100k  [R_0603_1608Metric]  66.6 69.83 180 top
R6#8  100k  [R_0603_1608Metric]  168.6 69.83 180 top
R6#9  100k  [R_0603_1608Metric]  66.6 17.83 180 top
R6#10  100k  [R_0603_1608Metric]  168.6 17.83 180 top
R7  R  [R_0603_1608Metric]  79.6 244.8 180 top
R7#2  R  [R_0603_1608Metric]  181.6 244.8 180 top
R7#3  R  [R_0603_1608Metric]  79.6 192.8 180 top
R7#4  R  [R_0603_1608Metric]  181.6 192.8 180 top
R7#5  R  [R_0603_1608Metric]  79.6 140.8 180 top
R7#6  R  [R_0603_1608Metric]  181.6 140.8 180 top
R7#7  R  [R_0603_1608Metric]  79.6 88.8 180 top
R7#8  R  [R_0603_1608Metric]  181.6 88.8 180 top
R7#9  R  [R_0603_1608Metric]  79.6 36.8 180 top
R7#10  R  [R_0603_1608Metric]  181.6 36.8 180 top
R8  R  [R_0603_1608Metric]  56.8 238.38 90 top
R8#2  R  [R_0603_1608Metric]  158.8 238.38 90 top
R8#3  R  [R_0603_1608Metric]  56.8 186.38 90 top
R8#4  R  [R_0603_1608Metric]  158.8 186.38 90 top
R8#5  R  [R_0603_1608Metric]  56.8 134.38 90 top
R8#6  R  [R_0603_1608Metric]  158.8 134.38 90 top
R8#7  R  [R_0603_1608Metric]  56.8 82.38 90 top
R8#8  R  [R_0603_1608Metric]  158.8 82.38 90 top
R8#9  R  [R_0603_1608Metric]  56.8 30.38 90 top
R8#10  R  [R_0603_1608Metric]  158.8 30.38 90 top
R9  100k  [R_0603_1608Metric]  87.59 213.48 180 top
R9#2  100k  [R_0603_1608Metric]  189.59 213.48 180 top
R9#3  100k  [R_0603_1608Metric]  87.59 161.48 180 top
R9#4  100k  [R_0603_1608Metric]  189.59 161.48 180 top
R9#5  100k  [R_0603_1608Metric]  87.59 109.48 180 top
R9#6  100k  [R_0603_1608Metric]  189.59 109.48 180 top
R9#7  100k  [R_0603_1608Metric]  87.59 57.48 180 top
R9#8  100k  [R_0603_1608Metric]  189.59 57.48 180 top
R9#9  100k  [R_0603_1608Metric]  87.59 5.48 180 top
R9#10  100k  [R_0603_1608Metric]  189.59 5.48 180 top
R11  100k  [R_0603_1608Metric]  32.46 215.57 270 top
R11#2  100k  [R_0603_1608Metric]  134.46 215.57 270 top
R11#3  100k  [R_0603_1608Metric]  32.46 163.57 270 top
R11#4  100k  [R_0603_1608Metric]  134.46 163.57 270 top
R11#5  100k  [R_0603_1608Metric]  32.46 111.57 270 top
R11#6  100k  [R_0603_1608Metric]  134.46 111.57 270 top
R11#7  100k  [R_0603_1608Metric]  32.46 59.57 270 top
R11#8  100k  [R_0603_1608Metric]  134.46 59.57 270 top
R11#9  100k  [R_0603_1608Metric]  32.46 7.57 270 top
R11#10  100k  [R_0603_1608Metric]  134.46 7.57 270 top
R12  R  [R_0603_1608Metric]  93.38 217.4 180 top
R12#2  R  [R_0603_1608Metric]  195.38 217.4 180 top
R12#3  R  [R_0603_1608Metric]  93.38 165.4 180 top
R12#4  R  [R_0603_1608Metric]  195.38 165.4 180 top
R12#5  R  [R_0603_1608Metric]  93.38 113.4 180 top
R12#6  R  [R_0603_1608Metric]  195.38 113.4 180 top
R12#7  R  [R_0603_1608Metric]  93.38 61.4 180 top
R12#8  R  [R_0603_1608Metric]  195.38 61.4 180 top
R12#9  R  [R_0603_1608Metric]  93.38 9.4 180 top
R12#10  R  [R_0603_1608Metric]  195.38 9.4 180 top
SW1  SW_DPST_x2  [SW_Push_K2-1102SP]  8.95 221.05 90 top
SW1#2  SW_DPST_x2  [SW_Push_K2-1102SP]  110.95 221.05 90 top
SW1#3  SW_DPST_x2  [SW_Push_K2-1102SP]  8.95 169.05 90 top
SW1#4  SW_DPST_x2  [SW_Push_K2-1102SP]  110.95 169.05 90 top
SW1#5  SW_DPST_x2  [SW_Push_K2-1102SP]  8.95 117.05 90 top
SW1#6  SW_DPST_x2  [SW_Push_K2-1102SP]  110.95 117.05 90 top
SW1#7  SW_DPST_x2  [SW_Push_K2-1102SP]  8.95 65.05 90 top
SW1#8  SW_DPST_x2  [SW_Push_K2-1102SP]  110.95 65.05 90 top
SW1#9  SW_DPST_x2  [SW_Push_K2-1102SP]  8.95 13.05 90 top
SW1#10  SW_DPST_x2  [SW_Push_K2-1102SP]  110.95 13.05 90 top
U1  STC8G1K08-SOP16  [STC_SOP-16_3.9x9.9mm_P1.27mm]  62.29 215.97 270 top
